# KiCad board dendy.kicad_pcb
title: Dendy; date: 2024-03-31; rev: A1; company: Eugene Lozovoy
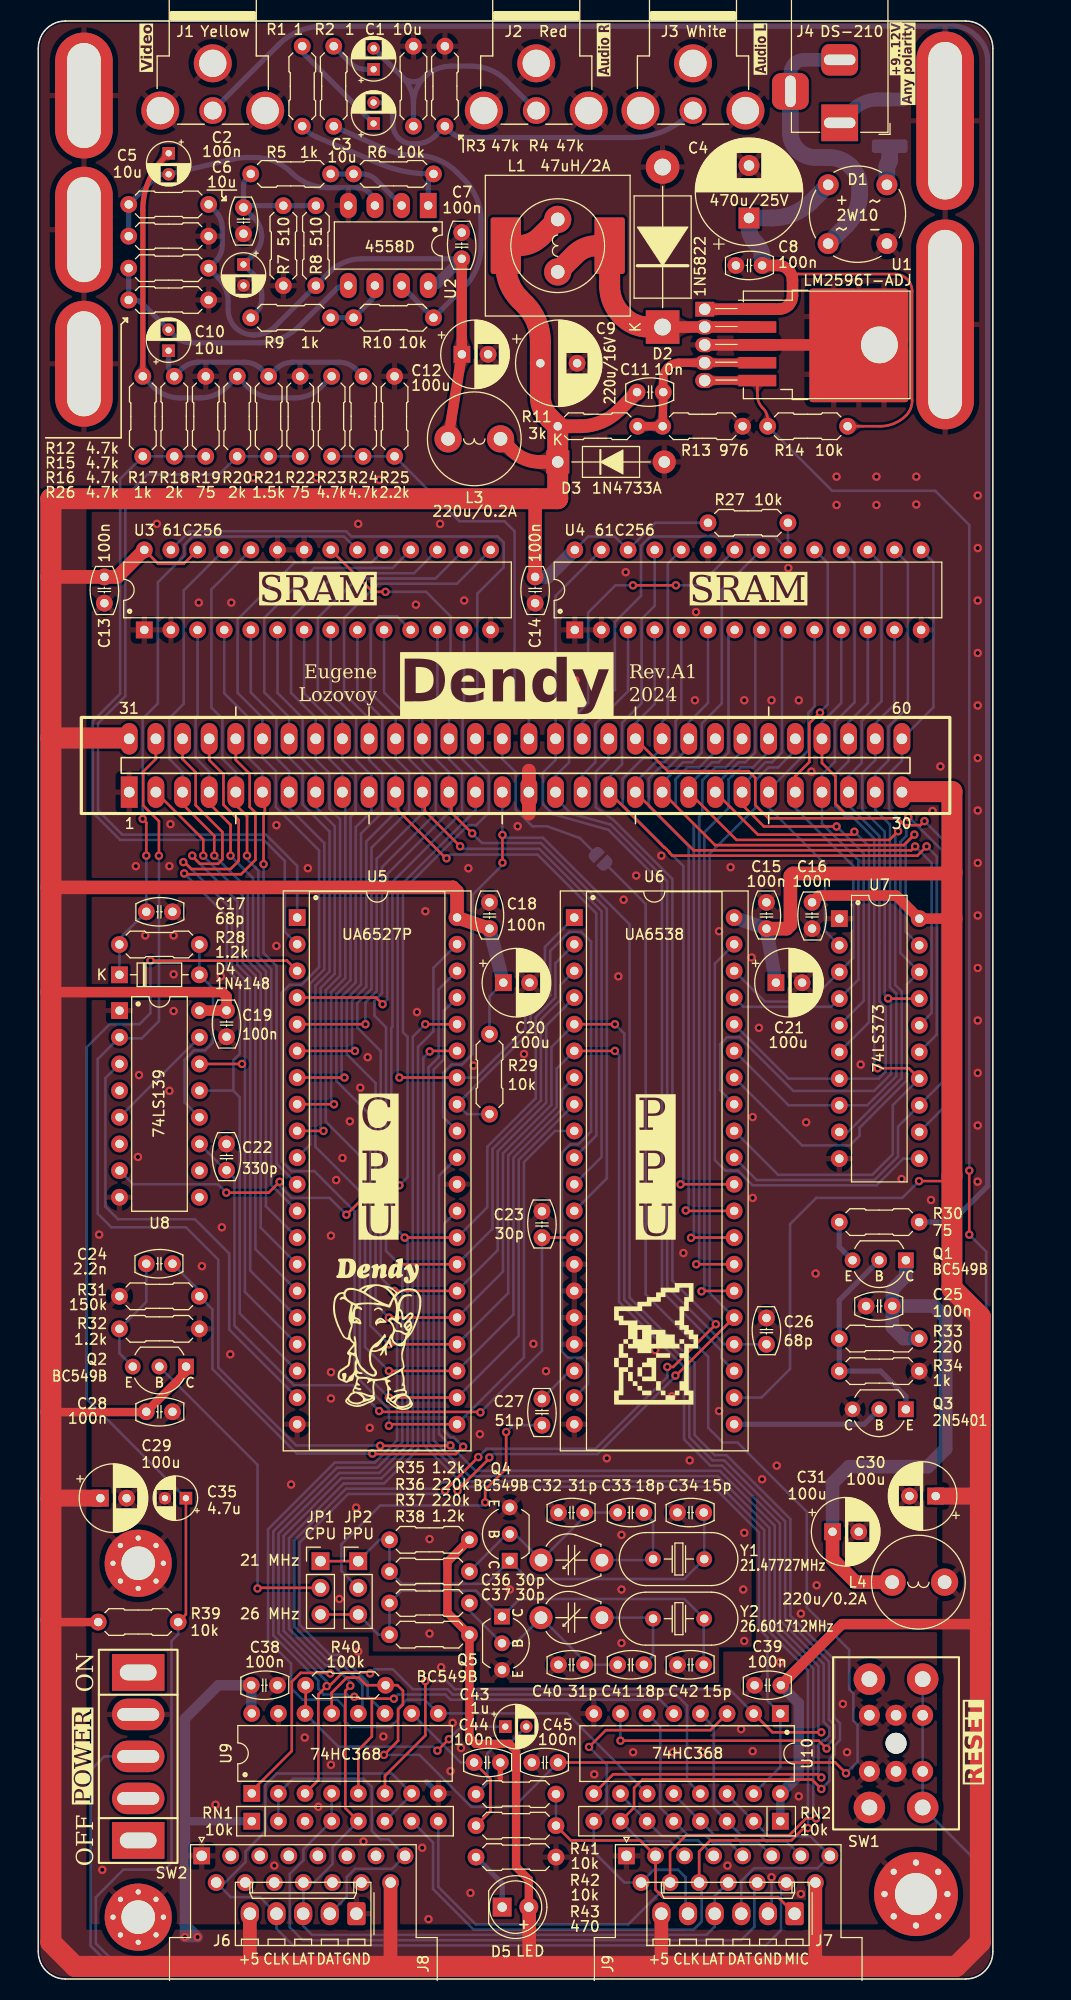
[diagram p0: board, top side]
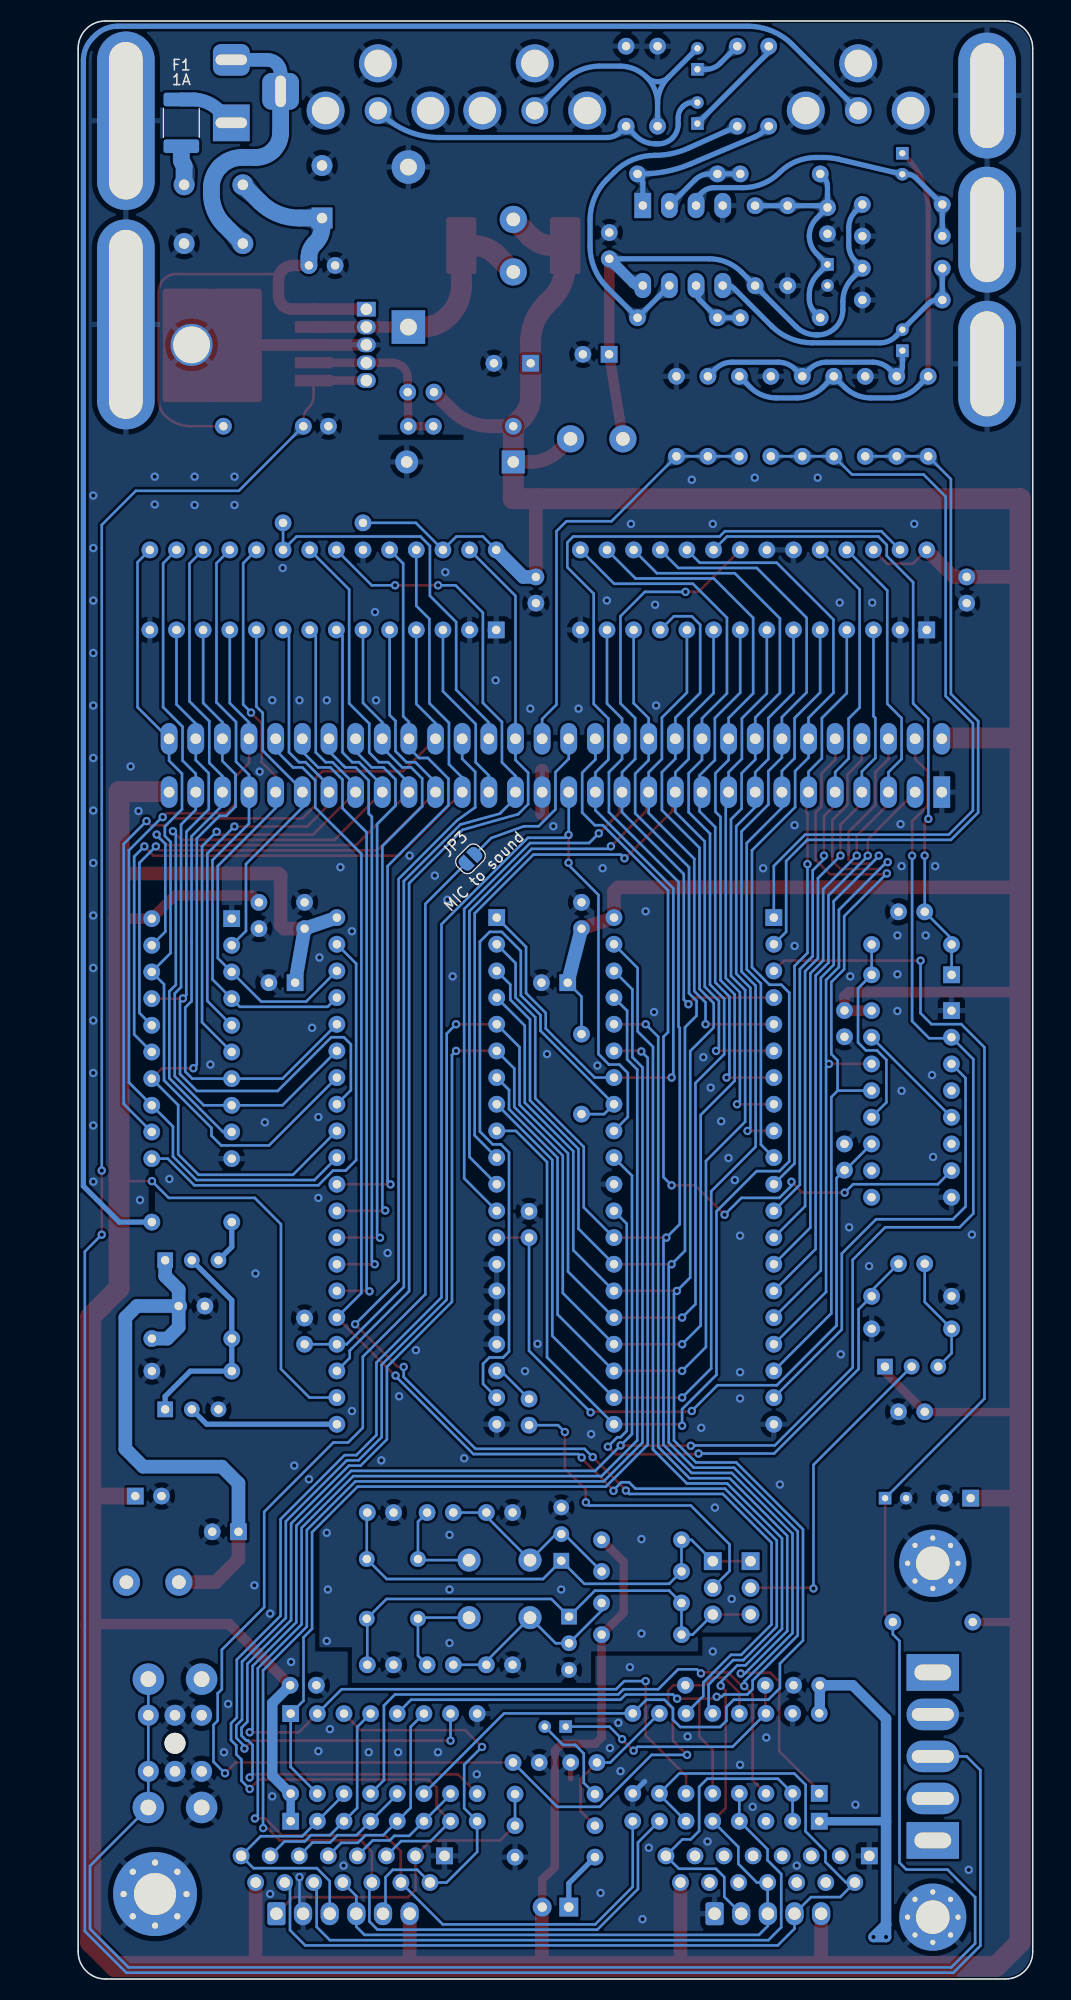
[diagram p1: board, bottom side, seen from below]

Outline 91 x 186.5 mm; copper layers: Top, Bottom. Coordinates in mm from the lower left corner of the outline.
Outline path: 0,183.9 arc(0.76,185.74) 2.6,186.5 88.4,186.5 arc(90.24,185.74) 91,183.9 91,2.6 arc(90.24,0.76) 88.4,0 2.6,0 arc(0.76,0.76) 0,2.6 0,183.9
Stack: Top 0.035mm / dielectric 1.51mm FR4 er 4.5 / Bottom 0.035mm

## Placement (name value [footprint] x y rotation side)
C1  10u  [CP_Radial_D4.0mm_P2.00mm]  31.96 181.9 90 top
C2  100n  [C_Disc_D5.0mm_W2.5mm_P2.50mm]  19.56 166.24 90 top
C3  10u  [CP_Radial_D4.0mm_P2.00mm]  31.96 176.73 90 top
C4  470u/25V  [CP_Radial_D10.0mm_P5.00mm]  67.75 167.73 90 top
C5  10u  [CP_Radial_D4.0mm_P2.00mm]  12.43 173.9 270 top
C6  10u  [CP_Radial_D4.0mm_P2.00mm]  19.56 163.31 270 top
C7  100n  [C_Disc_D5.0mm_W2.5mm_P2.50mm]  40.36 166.35 270 top
C8  100n  [C_Disc_D5.0mm_W2.5mm_P2.50mm]  69 163.22 180 top
C9  220u/16V  [CP_Radial_D8.0mm_P3.50mm]  47.86 153.9 0 top
C10  10u  [CP_Radial_D4.0mm_P2.00mm]  12.42 155.1 90 top
C11  10n  [C_Disc_D5.0mm_W2.5mm_P2.50mm]  57.08 151.15 0 top
C12  100u  [CP_Radial_D6.3mm_P2.50mm]  40.38 154.75 0 top
C13  100n  [C_Disc_D5.0mm_W2.5mm_P2.50mm]  6.3 131.05 90 top
C14  100n  [C_Disc_D5.0mm_W2.5mm_P2.50mm]  47.36 131.05 90 top
C15  100n  [C_Disc_D5.0mm_W2.5mm_P2.50mm]  69.41 102.55 270 top
C16  100n  [C_Disc_D5.0mm_W2.5mm_P2.50mm]  73.76 100.05 90 top
C17  68p  [C_Disc_D5.0mm_W2.5mm_P2.50mm]  12.79 101.65 180 top
C18  100n  [C_Disc_D5.0mm_W2.5mm_P2.50mm]  43.01 102.55 270 top
C19  100n  [C_Disc_D5.0mm_W2.5mm_P2.50mm]  17.94 89.75 90 top
C20  100u  [CP_Radial_D6.3mm_P2.50mm]  44.33 94.9 0 top
C21  100u  [CP_Radial_D6.3mm_P2.50mm]  70.32 94.9 0 top
C22  330p  [C_Disc_D5.0mm_W2.5mm_P2.50mm]  17.94 79.54 270 top
C23  30p  [C_Disc_D5.0mm_W2.5mm_P2.50mm]  48.01 73.12 270 top
C24  2.2n  [C_Disc_D5.0mm_W2.5mm_P2.50mm]  10.29 68.13 0 top
C25  100n  [C_Disc_D5.0mm_W2.5mm_P2.50mm]  78.91 64.1 0 top
C26  68p  [C_Disc_D5.0mm_W2.5mm_P2.50mm]  69.41 62.96 270 top
C27  51p  [C_Disc_D5.0mm_W2.5mm_P2.50mm]  48.01 52.75 90 top
C28  100n  [C_Disc_D5.0mm_W2.5mm_P2.50mm]  12.79 54.03 180 top
C29  100u  [CP_Radial_D6.3mm_P2.50mm]  5.92 45.8 0 top
C30  100u  [CP_Radial_D6.3mm_P2.50mm]  85.55 46 180 top
C31  100u  [CP_Radial_D6.3mm_P2.50mm]  75.72 42.6 0 top
C32  31p  [C_Disc_D5.0mm_W2.5mm_P2.50mm]  49.58 44.43 0 top
C33  18p  [C_Disc_D5.0mm_W2.5mm_P2.50mm]  57.73 44.43 180 top
C34  15p  [C_Disc_D5.0mm_W2.5mm_P2.50mm]  60.93 44.43 0 top
C35  4.7u  [CP_Radial_D4.0mm_P2.00mm]  14.07 45.8 180 top
C36  30p  [C_Trimmer_GKU_L5.6mm_W5.0mm_P5.8mm]  53.73 39.9 180 top
C37  30p  [C_Trimmer_GKU_L5.6mm_W5.0mm_P5.8mm]  53.73 34.42 180 top
C38  100n  [C_Disc_D5.0mm_W2.5mm_P2.50mm]  22.8 27.98 180 top
C39  100n  [C_Disc_D5.0mm_W2.5mm_P2.50mm]  68.29 27.98 0 top
C40  31p  [C_Disc_D5.0mm_W2.5mm_P2.50mm]  49.58 29.93 0 top
C41  18p  [C_Disc_D5.0mm_W2.5mm_P2.50mm]  57.73 29.93 180 top
C42  15p  [C_Disc_D5.0mm_W2.5mm_P2.50mm]  60.93 29.93 0 top
C43  1u  [CP_Radial_D4.0mm_P2.00mm]  44.52 24.04 0 top
C44  100n  [C_Disc_D5.0mm_W2.5mm_P2.50mm]  44.05 20.62 180 top
C45  100n  [C_Disc_D5.0mm_W2.5mm_P2.50mm]  47.05 20.62 0 top
D1  2W10  [Diode_Bridge_Round_D10.0mm]  80.9 165.3 180 top
D2  1N5822  [D_DO-201AD_P15.24mm_Horizontal]  59.52 157.35 90 top
D3  1N4733A  [D_DO-41_SOD81_P10.16mm_Horizontal]  49.52 144.5 0 top
D4  1N4148  [D_DO-35_SOD27_P7.62mm_Horizontal]  7.73 95.65 0 top
D5  LED  [LED_D5.0mm]  44.22 6.85 0 top
F1  1A  [Fuse_1812_4532Metric_Pad1.30x3.40mm_HandSolder]  81.16 176.8 270 bottom
G***  -  [LOGO]  32.3 61.4 0 top
G***#2  -  [LOGO]  58.9 60.5 0 top
HOLE1  HOLE  [MountingHole_3.2mm_M3_DIN965_Pad]  4.35 179.4 0 top
HOLE2  HOLE  [MountingHole_3.2mm_M3_DIN965_Pad#2]  86.45 177 0 top
HOLE3  HOLE  [MountingHole_3.2mm_M3_DIN965_Pad]  4.35 166.62 0 top
HOLE4  HOLE  [MountingHole_3.2mm_M3_DIN965_Pad#3]  86.45 157.6 0 top
HOLE5  HOLE  [MountingHole_3.2mm_M3_DIN965_Pad]  4.35 153.85 0 top
HOLE6  HOLE  [MountingHole_3.2mm_M3_Pad_Via]  9.53 39.6 0 top
HOLE7  HOLE  [MountingHole_4mm_Pad_Via]  83.67 8.09 0 top
HOLE8  HOLE  [MountingHole_3.2mm_M3_Pad_Via]  9.53 5.89 0 top
J1  RCJ-014  [CUI_RCJ-01X]  16.63 182.46 0 top
J2  RCJ-014  [CUI_RCJ-01X]  47.47 182.46 0 top
J3  RCJ-014  [CUI_RCJ-01X]  62.41 182.46 0 top
J4  DS-210  [BarrelJack_Horizontal]  76.4 176.8 270 top
J5  FC 60 pin cartridge slot  [FC60]  8.67 113.05 0 top
J6  Conn_01x05  [Molex_KK-254_AE-6410-05A_1x05_P2.54mm_Vertical]  30.33 6.22 180 top
J7  Conn_01x06  [Molex_KK-254_AE-6410-06A_1x06_P2.54mm_Vertical]  72.1 6.22 180 top
J8  DB15_Male  [DSUB-15_Male_Horizontal_P2.77x2.54mm_EdgePinOffset9.40mm]  15.58 11.73 0 top
J9  DB15_Male  [DSUB-15_Male_Horizontal_P2.77x2.54mm_EdgePinOffset9.40mm]  56.08 11.73 0 top
JP1  Jumper_3_Bridged12  [PinHeader_1x03_P2.54mm_Vertical]  26.9 39.8 0 top
JP2  Jumper_3_Bridged12  [PinHeader_1x03_P2.54mm_Vertical]  30.5 39.8 0 top
JP3  SolderJumper_2_Open  [SolderJumper-2_P1.3mm_Open_RoundedPad1.0x1.5mm]  53.6 106.7 315 bottom
L1  47uH/2A  [L_12x12mm_H8mm]  49.52 165.1 180 top
L2  47uH/2A  [L_Radial_D8.7mm_P5.00mm_Fastron_07HCP]  49.52 162.6 90 top
L3  220u/0.2A  [L_Radial_D8.7mm_P5.00mm_Fastron_07HCP]  44.06 146.7 180 top
L4  220u/0.2A  [L_Radial_D8.7mm_P5.00mm_Fastron_07HCP]  86.4 37.8 180 top
Q1  BC549B  [TO-92_Inline_Wide_CBE]  82.7 68.46 180 top
Q2  BC549B  [TO-92_Inline_Wide_CBE]  14.08 58.33 180 top
Q3  2N5401  [TO-92_Inline_Wide_EBC]  82.7 54.26 180 top
Q4  BC549B  [TO-92_Inline_Wide_CBE]  44.94 39.84 90 top
Q5  BC549B  [TO-92_Inline_Wide_CBE]  44.2 34.52 270 top
R1  1  [R_Axial_DIN0207_L6.3mm_D2.5mm_P7.62mm_Horizontal]  25.16 184.1 270 top
R2  1  [R_Axial_DIN0207_L6.3mm_D2.5mm_P7.62mm_Horizontal]  28.16 184.1 270 top
R3  47k  [R_Axial_DIN0207_L6.3mm_D2.5mm_P7.62mm_Horizontal]  35.76 176.48 90 top
R4  47k  [R_Axial_DIN0207_L6.3mm_D2.5mm_P7.62mm_Horizontal]  38.76 176.48 90 top
R5  1k  [R_Axial_DIN0207_L6.3mm_D2.5mm_P7.62mm_Horizontal]  27.87 171.94 180 top
R6  10k  [R_Axial_DIN0207_L6.3mm_D2.5mm_P7.62mm_Horizontal]  37.67 171.94 180 top
R7  510  [R_Axial_DIN0207_L6.3mm_D2.5mm_P7.62mm_Horizontal]  23.36 168.91 270 top
R8  510  [R_Axial_DIN0207_L6.3mm_D2.5mm_P7.62mm_Horizontal]  26.46 161.29 90 top
R9  1k  [R_Axial_DIN0207_L6.3mm_D2.5mm_P7.62mm_Horizontal]  27.87 158.24 180 top
R10  10k  [R_Axial_DIN0207_L6.3mm_D2.5mm_P7.62mm_Horizontal]  37.67 158.24 180 top
R11  3k  [R_Axial_DIN0207_L6.3mm_D2.5mm_P7.62mm_Horizontal]  49.52 147.9 0 top
R12  4.7k  [R_Axial_DIN0207_L6.3mm_D2.5mm_P7.62mm_Horizontal]  16.24 169.03 180 top
R13  976  [R_Axial_DIN0207_L6.3mm_D2.5mm_P7.62mm_Horizontal]  67.14 147.9 180 top
R14  10k  [R_Axial_DIN0207_L6.3mm_D2.5mm_P7.62mm_Horizontal]  69.53 147.9 0 top
R15  4.7k  [R_Axial_DIN0207_L6.3mm_D2.5mm_P7.62mm_Horizontal]  8.62 166 0 top
R16  4.7k  [R_Axial_DIN0207_L6.3mm_D2.5mm_P7.62mm_Horizontal]  16.24 162.95 180 top
R17  1k  [R_Axial_DIN0207_L6.3mm_D2.5mm_P7.62mm_Horizontal]  9.96 152.66 270 top
R18  2k  [R_Axial_DIN0207_L6.3mm_D2.5mm_P7.62mm_Horizontal]  12.96 152.66 270 top
R19  75  [R_Axial_DIN0207_L6.3mm_D2.5mm_P7.62mm_Horizontal]  15.96 145.04 90 top
R20  2k  [R_Axial_DIN0207_L6.3mm_D2.5mm_P7.62mm_Horizontal]  18.96 152.66 270 top
R21  1.5k  [R_Axial_DIN0207_L6.3mm_D2.5mm_P7.62mm_Horizontal]  21.96 152.66 270 top
R22  75  [R_Axial_DIN0207_L6.3mm_D2.5mm_P7.62mm_Horizontal]  24.96 145.04 90 top
R23  4.7k  [R_Axial_DIN0207_L6.3mm_D2.5mm_P7.62mm_Horizontal]  27.96 152.66 270 top
R24  4.7k  [R_Axial_DIN0207_L6.3mm_D2.5mm_P7.62mm_Horizontal]  30.96 152.66 270 top
R25  2.2k  [R_Axial_DIN0207_L6.3mm_D2.5mm_P7.62mm_Horizontal]  33.96 145.04 90 top
R26  4.7k  [R_Axial_DIN0207_L6.3mm_D2.5mm_P7.62mm_Horizontal]  8.62 159.93 0 top
R27  10k  [R_Axial_DIN0207_L6.3mm_D2.5mm_P7.62mm_Horizontal]  63.84 138.7 0 top
R28  1.2k  [R_Axial_DIN0207_L6.3mm_D2.5mm_P7.62mm_Horizontal]  7.73 98.54 0 top
R29  10k  [R_Axial_DIN0207_L6.3mm_D2.5mm_P7.62mm_Horizontal]  43.01 90 270 top
R30  75  [R_Axial_DIN0207_L6.3mm_D2.5mm_P7.62mm_Horizontal]  83.97 72.1 180 top
R31  150k  [R_Axial_DIN0207_L6.3mm_D2.5mm_P7.62mm_Horizontal]  7.73 65.03 0 top
R32  1.2k  [R_Axial_DIN0207_L6.3mm_D2.5mm_P7.62mm_Horizontal]  7.73 61.93 0 top
R33  220  [R_Axial_DIN0207_L6.3mm_D2.5mm_P7.62mm_Horizontal]  76.35 61 0 top
R34  1k  [R_Axial_DIN0207_L6.3mm_D2.5mm_P7.62mm_Horizontal]  83.97 57.9 180 top
R35  1.2k  [R_Axial_DIN0207_L6.3mm_D2.5mm_P7.62mm_Horizontal]  41.1 41.83 180 top
R36  220k  [R_Axial_DIN0207_L6.3mm_D2.5mm_P7.62mm_Horizontal]  33.48 38.81 0 top
R37  220k  [R_Axial_DIN0207_L6.3mm_D2.5mm_P7.62mm_Horizontal]  33.48 35.81 0 top
R38  1.2k  [R_Axial_DIN0207_L6.3mm_D2.5mm_P7.62mm_Horizontal]  41.1 32.8 180 top
R39  10k  [R_Axial_DIN0207_L6.3mm_D2.5mm_P7.62mm_Horizontal]  5.72 34 0 top
R40  100k  [R_Axial_DIN0207_L6.3mm_D2.5mm_P7.62mm_Horizontal]  33.11 27.98 180 top
R41  10k  [R_Axial_DIN0207_L6.3mm_D2.5mm_P7.62mm_Horizontal]  49.35 17.61 180 top
R42  10k  [R_Axial_DIN0207_L6.3mm_D2.5mm_P7.62mm_Horizontal]  49.35 14.61 180 top
R43  470  [R_Axial_DIN0207_L6.3mm_D2.5mm_P7.62mm_Horizontal]  41.73 11.61 0 top
RN1  10k  [R_Array_SIP8]  20.35 15.03 0 top
RN2  10k  [R_Array_SIP8]  70.74 15.03 180 top
SW1  Button THT  [FC_Reset_Switch_Universal]  81.77 22.45 0 top
SW2  SW_SPDT  [FC_Power_Switch_Universal]  9.53 29.2 0 top
U1  LM2596T-ADJ  [TO-220-263-5_Horizontal_TabDown]  63.53 159.05 270 top
U2  4558D  [DIP-8_W7.62mm_LongPads]  37.17 168.93 270 top
U3  61C256  [DIP-28_W7.62mm]  10.1 128.5 90 top
U4  61C256  [DIP-28_W7.62mm]  51.14 128.5 90 top
U5  UA6527P  [DIP-40_W15.24mm_Socket]  24.68 101.1 0 top
U6  UA6538  [DIP-40_W15.24mm_Socket]  51.1 101.1 0 top
U7  74LS373  [DIP-20_W7.62mm]  76.36 101 0 top
U8  74LS139  [DIP-16_W7.62mm]  7.74 92.24 0 top
U9  74HC368  [DIP-16_W7.62mm]  20.35 17.68 90 top
U10  74HC368  [DIP-16_W7.62mm]  70.74 25.28 270 top
Y1  21.47727MHz  [Crystal_HC49-U_Vertical]  63.48 40 180 top
Y2  26.601712MHz  [Crystal_HC49-U_Vertical]  63.48 34.32 180 top

## Library data of the parts
C1 C3-C6 C9 C10 C12 C20 C21 C29-C31 C35 C43 = -: ki_fp_filters: CP_*
C2 C7 C8 C11 C13-C19 C22-C28 C32-C34 C38-C42 C44 C45 = -: ki_fp_filters: C_*
D1 = -: ki_fp_filters: D*Bridge* D*Rectifier*
D2 D4 = -: Sim.Device: D; Sim.Pins: 1=K 2=A; ki_fp_filters: TO-???* *_Diode_* *SingleDiode* D_*
D3 = -: Datasheet: https://www.vishay.com/docs/88301/15ke.pdf; ki_fp_filters: D?DO?201AE*
D5 = -: ki_fp_filters: LED* LED_SMD:* LED_THT:*
F1 = -: ki_fp_filters: *Fuse*
HOLE1-HOLE8 = -: ki_fp_filters: MountingHole*Pad*
J1-J3 = -: Description: coaxial connector (BNC, SMA, SMB, SMC, Cinch/RCA, LEMO, ...); ki_fp_filters: *BNC* *SMA* *SMB* *SMC* *Cinch* *LEMO* *UMRF* *MCX* *U.FL*
J4 = -: Desc: DC IN; ki_fp_filters: BarrelJack*
J5 = -: ki_fp_filters: Connector*:*_2x??_*
J6 = -: Label: Joypad 1; ki_fp_filters: Connector*:*_1x??_*
J7 = -: Label: Joypad 2; ki_fp_filters: Connector*:*_1x??_*
J8 = -: Description: 15-pin male plug pin D-SUB connector (low-density/2 columns); Label: Joypad 1; ki_fp_filters: DSUB*Male*
J9 = -: Description: 15-pin male plug pin D-SUB connector (low-density/2 columns); Label: Joypad 2; ki_fp_filters: DSUB*Male*
JP1 JP2 = -: ki_fp_filters: Jumper* TestPoint*3Pads* TestPoint*Bridge*
JP3 = -: Description: Solder Jumper, 2-pole, open; Desc: MIC to sound; ki_fp_filters: SolderJumper*Open*
L1-L4 = -: ki_fp_filters: Choke_* *Coil* Inductor_* L_*
Q1 Q2 Q4 Q5 = -: Datasheet: https://www.tme.eu/Document/6c5d898a533a0762c2bc33eb26c283a8/BC546-550-DTE.pdf
Q3 = -: Datasheet: https://www.mouser.com/datasheet/2/302/nxp_2n5401-1188528.pdf
R1-R43 = -: ki_fp_filters: R_*
RN1 RN2 = -: Datasheet: http://www.vishay.com/docs/31509/csc.pdf; ki_fp_filters: R?Array?SIP*
SW1 = -: Desc: RST
SW2 = -: Description: Switch, single pole double throw
U1 = -: Datasheet: http://www.ti.com/lit/ds/symlink/lm2596.pdf; ki_fp_filters: TO?220*
U2 = -: Datasheet: https://www.ti.com/lit/ds/symlink/mc1458.pdf?ts=1631043877656&ref_url=https%253A%252F%252Fwww.google.com%252F
U3 U4 = -: Datasheet: https://www.futurlec.com/Datasheet/Memory/62256.pdf; Label: SRAM; ValueAlt: 6264, 62128, 62256, AS7C256; ki_fp_filters: DIP*W15.24mm*
U5 = -: Datasheet: https://www.nesdev.org/wiki/CPU_ALL; Label: CPU; ValueAlt: HA6527P, TA-03NP, MG-P-501; ki_fp_filters: *DIP*40*15*
U6 = -: Datasheet: https://www.nesdev.org/wiki/PPU_pinout; Label: PPU; ValueAlt: HA6538, TA-02NP, MG-P-502; ki_fp_filters: *DIP*40*15*
U7 = -: Datasheet: http://www.ti.com/lit/gpn/sn74LS373; ki_fp_filters: DIP?20* SOIC?20* SO?20* SSOP?20* TSSOP?20*
U8 = -: Datasheet: http://www.ti.com/lit/ds/symlink/sn74ls139a.pdf; ki_fp_filters: DIP?16*
U9 U10 = -: Datasheet: http://www.ti.com/lit/gpn/sn74LS368; ki_fp_filters: DIP?16*
Y1 Y2 = -: ki_fp_filters: Crystal*

## Footprints (pads in the part's own frame, mm; a bottom-side part is the same pattern mirrored in y, then rotated)
BarrelJack_Horizontal
  rect 3.5x3.5 hole 1x3: 1(0,0)
  rrect 3x3.5 hole 1x3: 2(-6,0)
  rrect 3.5x3.5 hole 3x1: 3(-3,-4.7)
C_Disc_D5.0mm_W2.5mm_P2.50mm
  round 1.6 hole 0.8: 1(0,0) 2(2.5,0)
C_Trimmer_GKU_L5.6mm_W5.0mm_P5.8mm
  round 2.2 hole 1.2: 1(0,0) 2(5.81,0)
CP_Radial_D4.0mm_P2.00mm
  rect 1.2x1.2 hole 0.6: 1(0,0)
  round 1.2 hole 0.6: 2(2,0)
CP_Radial_D6.3mm_P2.50mm
  rect 1.6x1.6 hole 0.8: 1(0,0)
  round 1.6 hole 0.8: 2(2.5,0)
CP_Radial_D8.0mm_P3.50mm
  rect 1.6x1.6 hole 0.8: 1(0,0)
  round 1.6 hole 0.8: 2(3.5,0)
CP_Radial_D10.0mm_P5.00mm
  rect 2x2 hole 1: 1(0,0)
  round 2 hole 1: 2(5,0)
Crystal_HC49-U_Vertical
  round 1.5 hole 0.8: 1(0,0) 2(4.88,0)
CUI_RCJ-01X
  round 2.55 hole 1.7: 1(0,-4.489)
  round 3.616 hole 2.6: 2(-5,-4.489) 2(0,0.011) 2(5,-4.489)
D_DO-35_SOD27_P7.62mm_Horizontal
  rect 1.6x1.6 hole 0.8: 1(0,0)
  oval 1.6x1.6 hole 0.8: 2(7.62,0)
D_DO-41_SOD81_P10.16mm_Horizontal
  rect 2.2x2.2 hole 1.1: 1(0,0)
  oval 2.2x2.2 hole 1.1: 2(10.16,0)
D_DO-201AD_P15.24mm_Horizontal
  rect 3.2x3.2 hole 1.6: 1(0,0)
  oval 3.2x3.2 hole 1.6: 2(15.24,0)
Diode_Bridge_Round_D10.0mm
  round 2 hole 1: 1(0,0)
  oval 2x2 hole 1: 2(0,-5.6) 3(5.6,-5.6) 4(5.6,0)
DIP-8_W7.62mm_LongPads
  rect 2.4x1.6 hole 0.8: 1(0,0)
  oval 2.4x1.6 hole 0.8: 2(0,-2.54) 3(0,-5.08) 4(0,-7.62) 5(7.62,-7.62) 6(7.62,-5.08) 7(7.62,-2.54) 8(7.62,0)
DIP-16_W7.62mm
  rect 1.6x1.6 hole 0.8: 1(0,0)
  oval 1.6x1.6 hole 0.8: 2(0,-2.54) 3(0,-5.08) 4(0,-7.62) 5(0,-10.16) 6(0,-12.7) 7(0,-15.24) 8(0,-17.78) 9(7.62,-17.78) 10(7.62,-15.24) 11(7.62,-12.7) 12(7.62,-10.16) 13(7.62,-7.62) 14(7.62,-5.08) 15(7.62,-2.54) 16(7.62,0)
DIP-20_W7.62mm
  rect 1.6x1.6 hole 0.8: 1(0,0)
  oval 1.6x1.6 hole 0.8: 2(0,-2.54) 3(0,-5.08) 4(0,-7.62) 5(0,-10.16) 6(0,-12.7) 7(0,-15.24) 8(0,-17.78) 9(0,-20.32) 10(0,-22.86) 11(7.62,-22.86) 12(7.62,-20.32) 13(7.62,-17.78) 14(7.62,-15.24) 15(7.62,-12.7) 16(7.62,-10.16) 17(7.62,-7.62) 18(7.62,-5.08) 19(7.62,-2.54) 20(7.62,0)
DIP-28_W7.62mm
  rect 1.6x1.6 hole 0.8: 1(0,0)
  oval 1.6x1.6 hole 0.8: 2(0,-2.54) 3(0,-5.08) 4(0,-7.62) 5(0,-10.16) 6(0,-12.7) 7(0,-15.24) 8(0,-17.78) 9(0,-20.32) 10(0,-22.86) 11(0,-25.4) 12(0,-27.94) 13(0,-30.48) 14(0,-33.02) 15(7.62,-33.02) 16(7.62,-30.48) 17(7.62,-27.94) 18(7.62,-25.4) 19(7.62,-22.86) 20(7.62,-20.32) 21(7.62,-17.78) 22(7.62,-15.24) 23(7.62,-12.7) 24(7.62,-10.16) 25(7.62,-7.62) 26(7.62,-5.08) 27(7.62,-2.54) 28(7.62,0)
DIP-40_W15.24mm_Socket
  rect 1.6x1.6 hole 0.8: 1(0,0)
  oval 1.6x1.6 hole 0.8: 2(0,-2.54) 3(0,-5.08) 4(0,-7.62) 5(0,-10.16) 6(0,-12.7) 7(0,-15.24) 8(0,-17.78) 9(0,-20.32) 10(0,-22.86) 11(0,-25.4) 12(0,-27.94) 13(0,-30.48) 14(0,-33.02) 15(0,-35.56) 16(0,-38.1) 17(0,-40.64) 18(0,-43.18) 19(0,-45.72) 20(0,-48.26) 21(15.24,-48.26) 22(15.24,-45.72) 23(15.24,-43.18) 24(15.24,-40.64) 25(15.24,-38.1) 26(15.24,-35.56) 27(15.24,-33.02) 28(15.24,-30.48) 29(15.24,-27.94) 30(15.24,-25.4) 31(15.24,-22.86) 32(15.24,-20.32) 33(15.24,-17.78) 34(15.24,-15.24) 35(15.24,-12.7) 36(15.24,-10.16) 37(15.24,-7.62) 38(15.24,-5.08) 39(15.24,-2.54) 40(15.24,0)
DSUB-15_Male_Horizontal_P2.77x2.54mm_EdgePinOffset9.40mm
  rect 1.6x1.6 hole 1: 1(0,0)
  round 1.6 hole 1: 2(2.77,0) 3(5.54,0) 4(8.31,0) 5(11.08,0) 6(13.85,0) 7(16.62,0) 8(19.39,0) 9(1.385,-2.54) 10(4.155,-2.54) 11(6.925,-2.54) 12(9.695,-2.54) 13(12.465,-2.54) 14(15.235,-2.54) 15(18.005,-2.54)
FC60
  rect 1.6x3 hole 1.016: 1(0,0)
  oval 1.6x3 hole 1.016: 2(2.54,0) 3(5.08,0) 4(7.62,0) 5(10.16,0) 6(12.7,0) 7(15.24,0) 8(17.78,0) 9(20.32,0) 10(22.86,0) 11(25.4,0) 12(27.94,0) 13(30.48,0) 14(33.02,0) 15(35.56,0) 16(38.1,0) 17(40.64,0) 18(43.18,0) 19(45.72,0) 20(48.26,0) 21(50.8,0) 22(53.34,0) 23(55.88,0) 24(58.42,0) 25(60.96,0) 26(63.5,0) 27(66.04,0) 28(68.58,0) 29(71.12,0) 30(73.66,0) 31(0,5.08) 32(2.54,5.08) 33(5.08,5.08) 34(7.62,5.08) 35(10.16,5.08) 36(12.7,5.08) 37(15.24,5.08) 38(17.78,5.08) 39(20.32,5.08) 40(22.86,5.08) 41(25.4,5.08) 42(27.94,5.08) 43(30.48,5.08) 44(33.02,5.08) 45(35.56,5.08) 46(38.1,5.08) 47(40.64,5.08) 48(43.18,5.08) 49(45.72,5.08) 50(48.26,5.08) 51(50.8,5.08) 52(53.34,5.08) 53(55.88,5.08) 54(58.42,5.08) 55(60.96,5.08) 56(63.5,5.08) 57(66.04,5.08) 58(68.58,5.08) 59(71.12,5.08) 60(73.66,5.08)
FC_Power_Switch_Universal
  rect 5x3.5 hole 3.5x1.5: (0,0) (0,-16)
  oval 5x3 hole 4x1.2: 1(0,-4) 2(0,-8) 3(0,-12)
FC_Reset_Switch_Universal
  round 2.5 hole 2 unplated: (0,0)
  round 3 hole 1.5: 1(-2.54,6.112) 1(-2.54,-6.112) 2(2.54,6.112) 2(2.54,-6.112)
  round 2 hole 1: 1(-2.54,2.672) 1(-2.54,-2.672) 1(0,2.672) 1(0,-2.672) 2(2.54,2.672) 2(2.54,-2.672)
Fuse_1812_4532Metric_Pad1.30x3.40mm_HandSolder
  rrect 1.3x3.4 smd: 1(-2.225,0) 2(2.225,0)
L_12x12mm_H8mm
  rrect 2.9x5.4 smd: 1(-4.95,0) 2(4.95,0)
L_Radial_D8.7mm_P5.00mm_Fastron_07HCP
  round 2.6 hole 1.3: 1(0,0) 2(5,0)
LED_D5.0mm
  rect 1.8x1.8 hole 0.9: 1(0,0)
  round 1.8 hole 0.9: 2(2.54,0)
Molex_KK-254_AE-6410-05A_1x05_P2.54mm_Vertical
  rrect 1.74x2.19 hole 1.19: 1(0,0)
  oval 1.74x2.19 hole 1.19: 2(2.54,0) 3(5.08,0) 4(7.62,0) 5(10.16,0)
Molex_KK-254_AE-6410-06A_1x06_P2.54mm_Vertical
  rrect 1.74x2.19 hole 1.19: 1(0,0)
  oval 1.74x2.19 hole 1.19: 2(2.54,0) 3(5.08,0) 4(7.62,0) 5(10.16,0) 6(12.7,0)
MountingHole_3.2mm_M3_DIN965_Pad
  oval 5.5x12 hole 3.2x10: 1(0,0)
MountingHole_3.2mm_M3_DIN965_Pad#2
  oval 5.5x17 hole 3.2x15: 1(0,0)
MountingHole_3.2mm_M3_DIN965_Pad#3
  oval 5.5x20 hole 3.2x18: 1(0,0)
MountingHole_3.2mm_M3_Pad_Via
  round 0.8 hole 0.5: 1(-2.4,0) 1(-1.697,1.697) 1(-1.697,-1.697) 1(0,2.4) 1(0,-2.4) 1(1.697,1.697) 1(1.697,-1.697) 1(2.4,0)
  round 6.4 hole 3.2: 1(0,0)
MountingHole_4mm_Pad_Via
  round 0.9 hole 0.6: 1(-3,0) 1(-2.121,2.121) 1(-2.121,-2.121) 1(0,3) 1(0,-3) 1(2.121,2.121) 1(2.121,-2.121) 1(3,0)
  round 8 hole 4: 1(0,0)
PinHeader_1x03_P2.54mm_Vertical
  rect 1.7x1.7 hole 1: 1(0,0)
  oval 1.7x1.7 hole 1: 2(0,-2.54) 3(0,-5.08)
R_Array_SIP8
  rect 1.6x1.6 hole 0.8: 1(0,0)
  oval 1.6x1.6 hole 0.8: 2(2.54,0) 3(5.08,0) 4(7.62,0) 5(10.16,0) 6(12.7,0) 7(15.24,0) 8(17.78,0)
R_Axial_DIN0207_L6.3mm_D2.5mm_P7.62mm_Horizontal
  round 1.6 hole 0.8: 1(0,0)
  oval 1.6x1.6 hole 0.8: 2(7.62,0)
SolderJumper-2_P1.3mm_Open_RoundedPad1.0x1.5mm
  custom 1x1.5 smd: 1(-0.65,0) 2(0.65,0)
TO-92_Inline_Wide_CBE
  rect 1.5x1.5 hole 0.8: 1(0,0)
  round 1.5 hole 0.8: 2(2.54,0) 3(5.08,0)
TO-92_Inline_Wide_EBC
  rect 1.5x1.5 hole 0.8: 1(0,0)
  round 1.5 hole 0.8: 2(2.54,0) 3(5.08,0)
TO-220-263-5_Horizontal_TabDown
  rect 1.1x3.6 smd: 1(0,5.025) 2(1.7,5.025) 3(3.4,5.025) 4(5.1,5.025) 5(6.8,5.025)
  rect 1.4x1.8 hole 1.1: 1(0,0)
  oval 1.4x1.8 hole 1.1: 2(1.7,0) 3(3.4,0) 4(5.1,0) 5(6.8,0)
  rrect 5.3x4.6 smd: 3(0.7,17.1) 3(0.7,12.3) 3(6.2,17.1) 3(6.2,12.3)
  round 4 hole 3.5: 3(3.4,16.66)
  rrect 10.8x9.4 smd: 3(3.45,14.7)
